# KiCad board control.kicad_pcb (continued)
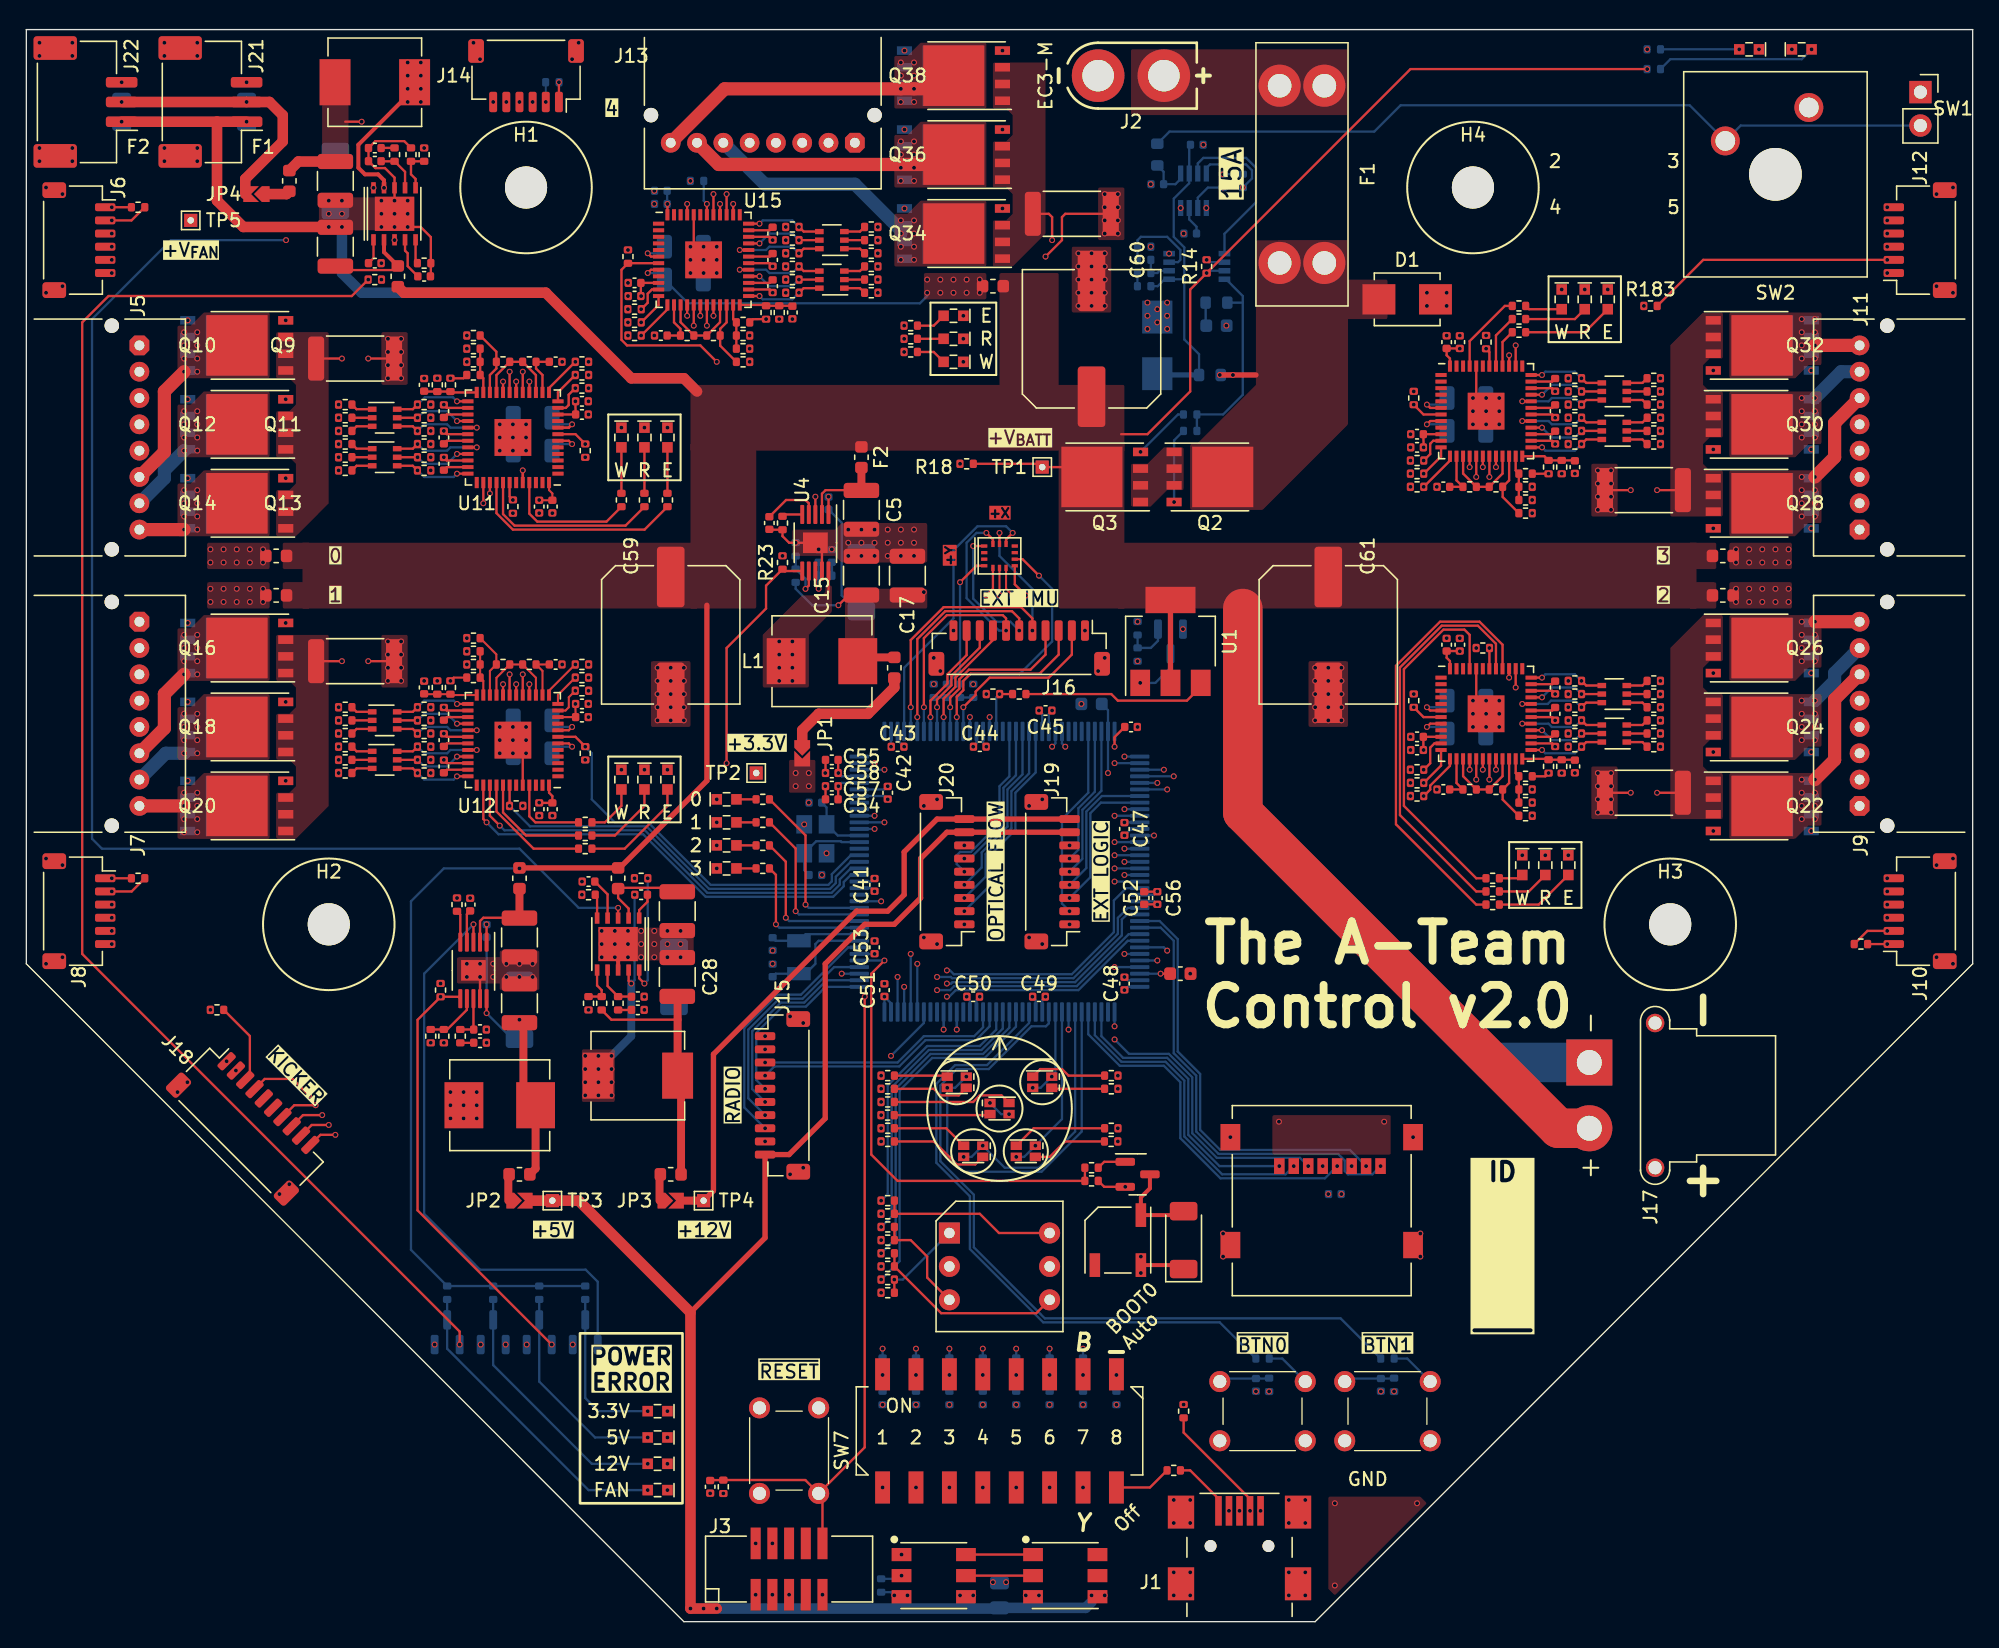
[diagram p0: board, top side]
## Routing (per net, layer and track width the routed paths; a pad name or vN(x,y) marks a point on that pad's centre or on a via; arc(x,y) is an arc through that point) (continued)
  Bottom w0.175: v1(73,82.75) 72.25,82.75 71.5,82 71.5,77.79 73.96,75.33 v1(74.5,75.33) ; v1(68.25,69.5) U10.43
/IMU.SCK: length 27.8
  Top w0.175: U16.13 v1(74,82.75) ; v1(67.25,69.5) 67.25,74.6 69.75,77.1 75.65,77.1 76.5,76.25 v1(76.5,75.33)
  Bottom w0.175: v1(74,82.75) 74,81 76.5,78.5 v1(76.5,75.33) ; U10.41 v1(67.25,69.5)
/IMU.~{DET}: length 13.7
  Top w0.175: v1(71.25,69.5) 72.18,70.43 72.18,70.68 73.25,71.75 77.75,71.75 79.5,73.5 J16.2
  Bottom w0.175: U10.49 v1(71.25,69.5)
/IMU.~{SS}0: length 21.8
  Top w0.175: v1(75,82.75) 74.5,82.25 U16.12
  Bottom w0.175: v1(75,82.75) 74.5,83.25 72.32,83.25 70.5,81.43 70.5,76.25 66.75,72.5 U10.40
/IMU.~{SS}1: length 8.8
  Top w0.175: J16.10 71.5,73.46 70.04,72 70.04,71.29 68.75,70 v1(68.75,68.75)
  Bottom w0.175: U10.44 v1(68.75,68.75)
/IMU.~{SS}2: length 9
  Top w0.175: J16.9 72.5,74.03 70.34,71.88 70.34,71.17 69.25,70.07 v1(69.25,69.5)
  Bottom w0.175: U10.45 v1(69.25,69.5)
/IMU.~{SS}3: length 9.2
  Top w0.175: v1(69.75,68.75) 69.75,70.15 70.65,71.04 70.65,71.75 73.5,74.6 J16.8
  Bottom w0.175: U10.46 v1(69.75,68.75)
/Indicators/BUZZER: length 35.2
  Top w0.175: v1(65.25,50.25) 64.25,49.25 64.25,35.5 66.25,33.5 R39.1 80.5,34.5 R40.1
  Bottom w0.175: U10.5 v1(65.25,50.25)
/Indicators/DOTSTAR.CLK: length 51.4
  In1.Cu w0.175: v1(66.55,3.5) 67.25,4.2 67.25,5.5 63.75,9 63.75,41.82 65.43,43.5 69.25,43.5 v1(70.75,45)
  Bottom w0.175: R42.1 66.31,3.26 v1(66.55,3.5)
  Bottom w0.2: v1(70.75,45) U10.133
/Indicators/DOTSTAR.DAT: length 47
  In1.Cu w0.175: v1(69.75,45) 68.55,43.8 65.3,43.8 63.45,41.95 63.45,8.2 v1(66.55,5.1)
  Bottom w0.2: v1(69.75,45) U10.135
/Indicators/LED.0: length 13.3
  Top w0.175: R45.1 59.25,59.76 v1(59.25,54.5)
  Bottom w0.175: v1(59.25,54.5) 59.5,54.25 U10.13
/Indicators/LED.1: length 12.5
  Top w0.175: v1(58.5,54) 58.5,58.76 R46.1
  Bottom w0.175: U10.12 58.75,53.75 v1(58.5,54)
/Indicators/LED.2: length 11.7
  Top w0.175: v1(57.75,53.5) 57.75,57.76 R47.1
  Bottom w0.175: v1(57.75,53.5) 58,53.25 U10.11
/Indicators/LED.3: length 10.9
  Top w0.175: R50.1 57,56.76 v1(57,53)
  Bottom w0.175: U10.10 57.25,52.75 v1(57,53)
/Indicators/PGOOD_{+5V}: length 158.6
  Top w0.175: U6.3 v1(45,54.25) ; v1(39.95,21.06) 29.75,31.26 29.75,45.74 R24.2 v1(31.5,47.5) 32.86,47.49 U5.6
  In1.Cu w0.175: v1(45,54.25) 42.5,54.25 39.5,51.25 39.5,48.75 38.25,47.5 v1(31.5,47.5)
  In4.Cu w0.175: v1(19.75,105) v1(28,105)
  Bottom w0.175: v1(19.75,105) 11,105 5,99 5,59.5 5.75,58.75 37.5,58.75 42,54.25 v1(45,54.25)
/Indicators/PGOOD_{+12V}: length 43.7
  Top w0.175: v1(47,48.5) 46.6,48.9 U6.10
  In4.Cu w0.175: v1(36.45,21.06) 36.45,26.2 41.25,31 41.25,47.25 42,48 46.5,48 v1(47,48.5)
  Bottom w0.175: v1(47,48.5) 47.25,48.75 v1(47.25,56.5)
/Indicators/PGOOD_{FAN}: length 120.2
  Top w0.175: v1(26,102) 24.75,100.75 6.25,100.75 4.25,98.75 4.25,50.75 32.95,22.05 v1(32.95,21.06)
  In1.Cu w0.175: v1(26,102) 25.5,102.5 25.5,108.08 v1(26.4,108.97)
/Indicators/ROBOTID_{DISP}.BL: length 19.7
  Bottom w0.175: U10.115 79.75,37.25 77,34.5 74.4,34.5 v1(72.72,36.18) 71.88,35.32 v1(71.28,35.32)
/Indicators/ROBOTID_{DISP}.BR: length 12.8
  Bottom w0.175: v1(75.28,35.32) 75.88,35.32 v1(76.72,36.18) 78.75,38.2 U10.117
/Indicators/ROBOTID_{DISP}.FL: length 28
  Bottom w0.175: v1(71.47,41.43) 70.62,40.57 v1(70.03,40.57) 70.03,35.47 71.3,34.2 77.2,34.2 80.25,37.25 U10.114
/Indicators/ROBOTID_{DISP}.FR: length 6.8
  Bottom w0.175: U10.118 78.25,41.7 v1(77.97,41.43) 77.12,40.57 v1(76.53,40.57)
/Indicators/ROBOTID_{DISP}.TeamBlue: length 30
  In4.Cu w0.175: v1(85.75,59.75) 85.75,58.25 83.5,56 83.25,56 82.55,55.3 82.55,50.62 79.93,48 79,48 77.75,46.75 76.25,46.75 73.28,43.78 v1(73.28,39.43)
  Bottom w0.175: U10.85 v1(85.75,59.75) ; v1(73.28,39.43) 74.12,38.57 v1(74.72,38.57)
/Indicators/ShutdownInitiated: length 106.9
  In1.Cu w0.175: v1(65,54.75) 78.75,68.5 83.15,68.5 85.2,70.55 85.2,74.34 89.4,78.54 89.4,99.5 90.5,100.6 90.5,110.25 93.25,113 101.5,113 108,119.5 v1(123.25,119.5)
  Bottom w0.175: U10.14 v1(65,54.75)
/KICKER.BOOT0: length 83.9
  Top w0.175: J18.9 21.7,37.75 v1(23,37.75)
  In1.Cu w0.175: v1(69.25,48) 68.78,48 66.13,45.34 64.63,45.34 61.91,42.62 61.91,32.37 57.83,28.3 32.95,28.3 23.5,37.75 v1(23,37.75)
  Bottom w0.175: v1(69.25,48) 70.25,48 70.55,48.3 79.87,48.3 83.82,52.25 U10.100
/KICKER.PWRON: length 91.3
  Top w0.175: v1(21.5,40) 20.25,41.25 18.13,41.25 J18.4
  In1.Cu w0.175: v1(21.5,40) 22.53,40 33.32,29.21 57.46,29.21 61,32.75 61,43 64.25,46.25 65.75,46.25 69,49.5 v1(70,49.5)
  Bottom w0.175: U10.93 83.63,55.75 82.7,54.82 82.7,52.41 79.5,49.21 70.52,49.21 70.23,49.5 v1(70,49.5)
/KICKER.RX: length 86.1
  Top w0.175: J18.8 21.04,38.5 v1(22.5,38.5)
  In1.Cu w0.175: v1(22.5,38.5) 23.18,38.5 33.07,28.6 57.71,28.6 61.6,32.5 61.6,42.75 64.5,45.65 66,45.65 68.85,48.5 v1(70,48.5)
  Bottom w0.175: v1(70,48.5) 70.32,48.5 70.43,48.6 79.75,48.6 83.3,52.16 83.3,53.37 83.68,53.75 U10.97
/KICKER.TX: length 87.1
  Top w0.175: J18.7 20.37,39.25 v1(22,39.25)
  In1.Cu w0.175: v1(69.25,49) 68.93,49 65.88,45.95 64.38,45.95 61.3,42.87 61.3,32.62 57.58,28.91 33.2,28.91 22.85,39.25 v1(22,39.25)
  Bottom w0.175: U10.96 83.76,54.25 83,53.49 83,52.28 79.62,48.91 70.4,48.91 70.3,49 v1(69.25,49)
/KICKER.~{DET}: length 6.3
  Top w0.175: J18.3 17,41.54 17,44.51 R245.2
/KICKER.~{RST}: length 83
  Top w0.175: v1(23.5,37) 22.36,37 J18.10
  In1.Cu w0.175: v1(70,47.5) 68.71,47.5 66.25,45.04 64.75,45.04 62.21,42.5 62.21,32.25 57.96,28 32.82,28 23.82,37 v1(23.5,37)
  Bottom w0.175: U10.101 83.75,51.75 80,48 70.68,48 70.18,47.5 v1(70,47.5)
/Load Switch/PGOOD_{VBATT}: length 48
  Top w0.175: U4.3 v1(60,85.5)
  In1.Cu w0.175: v1(60,85.5) 60,94.5 60.75,95.25 86.25,95.25 87.25,96.25 87.25,101 v1(89.75,103.5)
  Bottom w0.175: v1(89.75,103.5) 89.92,103.33 U2.6
/Load Switch/~{INT}_{PWRBTN}: length 56.9
  In1.Cu w0.175: v1(79,66.5) 80.4,67.9 83.4,67.9 85.8,70.3 85.8,74.09 90,78.29 90,99.25 92.5,101.75 v1(92.5,109)
  Bottom w0.175: U10.64 78.75,66.75 v1(79,66.5) ; R16.2 93.2,109.69 93.2,110.3 92.75,110.75 90,110.75 89.72,110.47 U3.8
/Load Switch/~{KILL}_{PWR}: length 54.3
  In1.Cu w0.175: v1(91,109) 91,100.68 89.7,99.38 89.7,78.41 85.5,74.21 85.5,70.43 83.27,68.2 79.7,68.2 v1(78,66.5)
  Bottom w0.175: R17.2 v1(91,109) 89.84,108.99 89.08,108.22 U3.2 ; v1(78,66.5) 78.25,66.75 U10.63
/MCU/+V_{BATT(REDUCED)}: length 3.9
  Top w0.175: R5.1 v1(74,70.5) R4.2
  Bottom w0.175: U10.54 73.75,70.25 v1(74,70.5)
/MCU/BOOT0: length 49.5
  In1.Cu w0.175: v1(65.75,43) 64.25,41.5 64.25,18.75 64.75,18.25 82.39,18.25 v1(82.89,18.75)
  Bottom w0.175: U10.138 68.25,45.5 v1(65.75,43) ; R75.2 v1(82.89,18.75)
/MCU/DIP.1: length 51.9
  In4.Cu w0.175: v1(65.11,20.75) 66.5,22.14 66.5,42.5 68.5,44.5 71,44.5 74.19,47.69 74.19,48.5 75.8,50.11 79.05,50.11 80.44,51.5 80.44,57.12 82.57,59.25 v1(82.75,59.25)
  Bottom w0.175: R83.2 v1(65.11,20.75) ; U10.86 v1(82.75,59.25)
/MCU/DIP.2: length 51.1
  In4.Cu w0.175: v1(83.5,58.75) 82.5,58.75 80.74,56.99 80.74,51.38 79.18,49.81 75.93,49.81 74.49,48.38 74.49,47.56 71.13,44.2 68.63,44.2 66.8,42.37 66.8,21.6 v1(67.65,20.75)
  Bottom w0.175: R84.2 v1(67.65,20.75) ; U10.87 v1(83.5,58.75)
/MCU/DIP.3: length 51.3
  In4.Cu w0.175: v1(82.75,58.25) 82.57,58.25 81.04,56.72 81.04,51.25 79.3,49.51 76.05,49.51 74.79,48.25 74.79,47.44 71.25,43.9 68.75,43.9 67.1,42.25 67.1,24.22 70.19,21.13 v1(70.19,20.75)
  Bottom w0.175: U10.88 v1(82.75,58.25) ; R85.2 v1(70.19,20.75)
/MCU/DIP.4: length 52.7
  In4.Cu w0.175: v1(72.73,20.75) 71,20.75 67.41,24.34 67.41,42.12 68.88,43.59 71.38,43.59 75.09,47.31 75.09,48.13 76.18,49.21 79.43,49.21 81.34,51.13 81.34,56.59 82.5,57.75 v1(83.5,57.75)
  Bottom w0.175: R86.2 v1(72.73,20.75) ; v1(83.5,57.75) U10.89
/MCU/DIP.5: length 54.2
  In4.Cu w0.175: v1(82.75,57.25) 82.57,57.25 81.65,56.32 81.65,51 79.55,48.91 76.3,48.91 75.4,48 75.4,47.19 71.5,43.29 69,43.29 67.71,42 67.71,24.47 70.93,21.25 74.77,21.25 v1(75.27,20.75)
  Bottom w0.175: U10.90 v1(82.75,57.25) ; R87.2 v1(75.27,20.75)
/MCU/DIP.6: length 55.8
  In4.Cu w0.175: v1(77.81,20.75) 77.01,21.55 71.05,21.55 68.01,24.59 68.01,41.87 69.13,42.99 71.63,42.99 75.7,47.06 75.7,47.88 76.43,48.6 79.68,48.6 81.95,50.88 81.95,56.2 82.5,56.75 v1(83.5,56.75)
  Bottom w0.175: U10.91 v1(83.5,56.75) ; R88.2 v1(77.81,20.75)
/MCU/ID_{SW}.IDX0: length 26.9
  Bottom w0.175: v1(65,26) 66.41,27.41 66.41,40.37 68.88,42.84 72.88,42.84 75.25,45.22 U10.124
/MCU/ID_{SW}.IDX1: length 24.7
  Bottom w0.175: U10.125 74.75,45.15 72.75,43.15 68.75,43.15 66.1,40.5 66.1,29.1 v1(65,28)
/MCU/ID_{SW}.IDX2: length 22.5
  Bottom w0.175: v1(65,30) 65.8,30.8 65.8,40.62 68.63,43.45 72.63,43.45 74.25,45.07 U10.126
/MCU/ID_{SW}.IDX3: length 20.3
  Bottom w0.175: U10.127 73.75,45 72.5,43.75 68.5,43.75 65.5,40.75 65.5,32.5 v1(65,32)
/MCU/IsBlueTeam: length 57.2
  In4.Cu w0.175: v1(80.35,20.75) 79.25,21.85 71.18,21.85 68.31,24.72 68.31,41.75 69.25,42.69 71.75,42.69 76,46.94 76,47.75 76.55,48.3 79.8,48.3 82.25,50.75 82.25,55.75 v1(82.75,56.25)
  Bottom w0.175: U10.92 v1(82.75,56.25) ; R89.2 v1(80.35,20.75)
/MCU/MOTOR_{BL}.BOOT0: length 31.9
  Top w0.175: U12.42 36.75,62.01
  Bottom w0.175: v1(36.75,62) 38.3,60.45 47.16,60.45 51.91,55.7 61.11,55.7 61.55,56.14 61.55,56.61 62.69,57.75 U10.20
/MCU/MOTOR_{BL}.RX: length 34.5
  Top w0.175: U12.38 34.75,61 v1(35,60.75)
  Bottom w0.175: v1(35,60.75) 35.91,59.84 46.91,59.84 51.66,55.09 61.36,55.09 62.16,55.89 62.16,56.22 62.69,56.75 U10.18
/MCU/MOTOR_{BL}.TX: length 33.8
  Top w0.175: U12.39 35.25,61.25 v1(36,60.5)
  Bottom w0.175: U10.19 62.69,57.25 61.85,56.41 61.85,56.02 61.23,55.4 51.78,55.4 47.03,60.15 36.35,60.15 v1(36,60.5)
/MCU/MOTOR_{BL}.~{RST}: length 30.9
  Top w0.175: U12.7 41.76,67.25 R121.2
  Bottom w0.175: U10.21 62.69,58.25 61.25,56.81 61.25,56.27 60.98,56 52.03,56 47.28,60.75 44.75,60.75 43,62.5 43,66 v1(42.5,66.5)
/MCU/MOTOR_{BR}.BOOT0: length 60.4
  Top w0.175: R152.1 111.25,73.99 U13.42
  In1.Cu w0.175: v1(67.25,50.75) 67.41,50.91 80.87,50.91 82.12,52.16 85.87,52.16 99.97,66.25 101.82,66.25 105,69.43 105,70.75 105.25,71 108.25,71 v1(111.25,74)
  Bottom w0.175: v1(67.25,50.75) U10.140
/MCU/MOTOR_{BR}.RX: length 60.6
  Top w0.175: U13.38 v1(113.25,71)
  In1.Cu w0.175: v1(113.25,71) 112.95,70.7 109.63,70.7 107.55,68.62 107.55,66.37 106.52,65.34 100.34,65.34 86.25,51.25 82.5,51.25 81.25,50 69.07,50 67.32,48.25 v1(66.75,48.25)
  Bottom w0.175: v1(66.75,48.25) U10.141
/MCU/MOTOR_{BR}.TX: length 60.6
  Top w0.175: U13.39 v1(112.75,71.75)
  In1.Cu w0.175: v1(66.25,49) 67.65,49 68.95,50.3 81.12,50.3 82.37,51.55 86.12,51.55 100.22,65.65 106.4,65.65 107.25,66.5 107.25,68.75 109.5,71 112,71 v1(112.75,71.75)
  Bottom w0.175: U10.142 v1(66.25,49)
/MCU/MOTOR_{BR}.~{RST}: length 51.9
  Top w0.175: R151.2 105.49,69.5 v1(105.5,69.5) R151.2 ; R151.2 106.24,68.75 U13.7
  In1.Cu w0.175: v1(67.75,50) 68.35,50.6 81,50.6 82.25,51.85 86,51.85 100.09,65.95 101.95,65.95 v1(105.5,69.5)
  Bottom w0.175: v1(67.75,50) U10.139
/MCU/MOTOR_{DRB}.BOOT0: length 77.2
  Top w0.175: U15.42 v1(51.75,107.75)
  In4.Cu w0.175: v1(51.75,107.75) 51.75,106.5 49.75,104.5 49.75,97.75 53.84,93.66 53.84,70.37 56.87,67.34 74.37,67.34 80.47,61.25 v1(82.75,61.25)
  Bottom w0.175: v1(82.75,61.25) U10.82 ; R212.1 51.51,107.99 v1(51.75,107.75)
/MCU/MOTOR_{DRB}.RX: length 70.2
  Top w0.175: U15.38 v1(53.75,107.75)
  In4.Cu w0.175: v1(53.75,107.75) 53.75,95.03 54.75,94.03 54.75,70.75 57.25,68.25 74.75,68.25 77,66 83.25,66 v1(83.5,65.75)
  Bottom w0.175: U10.73 v1(83.5,65.75)
/MCU/MOTOR_{DRB}.TX: length 72.4
  Top w0.175: U15.39 v1(53.25,108.5)
  In4.Cu w0.175: v1(53.25,108.5) 53.25,95.1 54.45,93.91 54.45,70.62 57.12,67.95 74.62,67.95 76.87,65.7 82.3,65.7 v1(82.75,65.25)
  Bottom w0.175: U10.74 v1(82.75,65.25)
/MCU/MOTOR_{DRB}.~{RST}: length 76.4
  Top w0.175: v1(52.5,95.75) 51.25,97 45.68,97 45.26,97.42 45.26,102.75 R211.2 45.76,103.25 U15.7
  In4.Cu w0.175: v1(52.5,95.75) 52.5,95.43 54.15,93.78 54.15,70.5 57,67.65 74.5,67.65 80.4,61.75 v1(83.5,61.75)
  Bottom w0.175: U10.81 v1(83.5,61.75)
/MCU/MOTOR_{FL}.BOOT0: length 52.2
  Top w0.175: U11.42 36.75,85.51 R92.1
  In1.Cu w0.175: v1(64.5,61.25) 65.25,61.25 66.2,62.2 66.2,64.73 64.23,66.7 47.16,66.7 43.85,70 43.85,82.54 42.89,83.5 38.75,83.5 v1(37,85.25)
  Bottom w0.175: U10.27 v1(64.5,61.25)
/MCU/MOTOR_{FL}.RX: length 48
  Top w0.175: U11.38 v1(34.75,85)
  In1.Cu w0.175: v1(34.75,85) 36.85,82.9 42.64,82.9 43.25,82.29 43.25,69.75 46.91,66.09 63.66,66.09 v1(64.5,65.25)
  Bottom w0.175: U10.35 v1(64.5,65.25)
/MCU/MOTOR_{FL}.TX: length 49.5
  Top w0.175: U11.39 v1(35.25,85.75)
  In1.Cu w0.175: v1(65.25,64.75) 65.25,65.25 64.1,66.4 47.03,66.4 43.55,69.88 43.55,82.41 42.77,83.2 37.05,83.2 35.25,85 v1(35.25,85.75)
  Bottom w0.175: U10.34 v1(65.25,64.75)
/MCU/MOTOR_{FL}.~{RST}: length 53.5
  Top w0.175: 41.75,90.25 U11.7 ; 42.51,89.5 41.76,90.25
  In1.Cu w0.175: v1(65.25,60.75) 66.5,62 66.5,64.85 64.35,67 47.28,67 44.16,70.13 44.16,82.66 43,83.82 43,89 v1(42.5,89.5)
  Bottom w0.175: U10.26 v1(65.25,60.75)
/MCU/MOTOR_{FR}.BOOT0: length 52.5
  Top w0.175: R182.1 110.99,96.75 v1(111,96.75) R182.1 ; R182.1 111.25,96.49 U14.42
  In1.Cu w0.175: v1(86,63.75) 86,65 86.25,65.25 87.72,65.25 88.62,66.16 94.12,66.16 95.34,67.38 95.34,83.63 104.4,92.68 104.4,94 105,94.6 108.85,94.6 v1(111,96.75)
  Bottom w0.175: U10.77 v1(86,63.75)
/MCU/MOTOR_{FR}.RX: length 54.8
  Top w0.175: U14.38 v1(113.25,97)
  In1.Cu w0.175: v1(87.25,64.25) 87.57,64.25 88.87,65.55 94.37,65.55 95.95,67.13 95.95,83.38 105,92.43 105,93.75 105.25,94 111.5,94 113.25,95.75 v1(113.25,97)
  Bottom w0.175: v1(87.25,64.25) U10.76
/MCU/MOTOR_{FR}.TX: length 52.3
  Top w0.175: U14.39 v1(112.75,96.25)
  In1.Cu w0.175: v1(112.75,96.25) 110.8,94.3 105.12,94.3 104.7,93.88 104.7,92.55 95.65,83.5 95.65,67.25 94.25,65.85 88.75,65.85 87.65,64.75 v1(86.5,64.75)
  Bottom w0.175: U10.75 v1(86.5,64.75)
/MCU/MOTOR_{FR}.~{RST}: length 44.9
  Top w0.175: R181.2 105.49,92.5 v1(105.5,92.5) R181.2 ; R181.2 106.24,91.75 U14.7
  In1.Cu w0.175: v1(105.5,92.5) 96.25,83.25 96.25,67 94.5,65.25 89,65.25 87,63.25 v1(86.75,63.25)
  Bottom w0.175: U10.78 v1(86.75,63.25)
/MCU/SDMMC.CK: length 28
  Bottom w0.175: U10.113 80.75,44.65 83.15,42.25 86.5,42.25 87.75,41 87.75,36.75 90.8,33.7 98.75,33.7 v1(99.68,34.62)
/MCU/SDMMC.CMD: length 26.3
  In1.Cu w0.175: v1(79.25,45) 82,45 v1(82.75,44.25)
  Bottom w0.175: v1(82.75,44.25) 83.84,43.16 86.88,43.16 88.66,41.38 88.66,37.13 90.53,35.25 96.85,35.25 v1(97.47,34.62) ; U10.116 v1(79.25,45)
/MCU/SDMMC.D0: length 32.4
  Bottom w0.175: U10.98 86.18,53.25 87.55,51.88 87.55,43.33 89.26,41.63 89.26,37.38 90.78,35.85 100.65,35.85 v1(101.88,34.62)
/MCU/SDMMC.D1: length 34.3
  Bottom w0.175: v1(102.97,34.62) 102.35,34 100.5,34 100.25,34.25 100.25,35.05 99.75,35.55 90.66,35.55 88.96,37.25 88.96,41.5 87.25,43.21 87.25,51.75 86.25,52.75 U10.99
/MCU/SDMMC.D2: length 21.9
  Bottom w0.175: v1(95.28,34.62) 90.73,34.62 88.35,37 88.35,41.25 86.75,42.85 83.4,42.85 81.75,44.5 U10.111
/MCU/SDMMC.D3: length 24
  Bottom w0.175: U10.112 81.25,44.57 83.27,42.55 86.63,42.55 88.05,41.13 88.05,36.88 90.93,34 95.75,34 v1(96.38,34.62)
/MCU/SWCLK: length 63.1
  In1.Cu w0.175: v1(56.73,5.95) 60.2,5.95 63,8.75 63,42.07 65.18,44.25 67.88,44.25 69.12,45.5 82.5,45.5 v1(82.75,45.25)
  Bottom w0.175: U10.109 v1(82.75,45.25)
/MCU/SWDIO: length 68.3
  In1.Cu w0.175: v1(82.75,49.75) 82.75,47.25 81.3,45.8 69,45.8 67.75,44.55 65.05,44.55 62.7,42.2 62.7,8.88 60.57,6.75 56.26,6.75 v1(55.46,5.95)
  Bottom w0.175: U10.105 v1(82.75,49.75)
/MCU/~{BTN}0: length 48.6
  Bottom w0.175: R67.2 90.74,22.75 77.32,22.75 71.75,28.32 71.75,32.32 69.2,34.87 69.2,40.88 70.62,42.3 73.05,42.3 76.25,45.5 U10.122
/MCU/~{BTN}1: length 58.9
  Bottom w0.175: R73.2 99.94,23.05 77.45,23.05 72.05,28.45 72.05,32.45 69.5,35 69.5,40.75 70.75,42 73.18,42 76.43,45.25 77.53,45.25 77.75,45.47 U10.119
/MCU/~{RST}: length 66
  Top w0.175: 60.54,6.02 60.54,9.46 SW7.2 ; v1(63.75,47.5) 63.75,13.25 SW7.2 ; C36.1 52.03,10.76 R90.2 53,10.76 59.24,10.76 SW7.2
  In1.Cu w0.175: v1(64.5,60.25) 63.75,59.5 v1(63.75,47.5)
  Bottom w0.175: U10.25 v1(64.5,60.25)
/Motors/MotorBL/ENCODER_{A}: length 50.1
  Top w0.175: U12.17 v1(37.75,72)
  In1.Cu w0.175: v1(37.75,72) 37.75,71 35.35,68.6 35.35,64.5 28.66,57.8 16.66,57.8 9.25,50.4 6,50.4 5.4,51 5.4,53.4 v1(6.5,54.5)
/Motors/MotorBL/ENCODER_{B}: length 46.4
  Top w0.175: U12.18 v1(37.25,71.25)
  In1.Cu w0.175: v1(37.25,71.25) 37.25,70.93 35.05,68.73 35.05,64.62 28.53,58.1 16.53,58.1 9.13,50.7 6.12,50.7 5.7,51.12 5.7,52.7 v1(6.5,53.5)
/Motors/MotorBL/ENCODER_{Z}: length 45.7
  Top w0.175: U12.19 v1(36.75,72)
  In1.Cu w0.175: v1(36.75,72) 36.75,70.85 34.75,68.85 34.75,64.75 28.41,58.41 16.41,58.41 9,51 6.25,51 6,51.25 6,52 v1(6.5,52.5)
/Motors/MotorBL/ENCODER_{~{DET}}: length 55.6
  Top w0.175: R123.1 8.01,55.5 J8.2 ; U12.16 v1(38.25,71.25)
  In1.Cu w0.175: v1(6.5,55.5) 5.09,54.09 5.09,50.87 5.87,50.09 9.38,50.09 16.78,57.5 28.78,57.5 35.53,64.25 37.25,64.25 38.75,65.75 38.75,68.5 38.25,69 v1(38.25,71.25)
/Motors/MotorBL/HALL_{1}: length 41.1
  Top w0.153: R124.2 41.75,70.76 v1(41.75,70.75) R124.2 ; R124.2 41.25,70.26 41.25,69.5 41,69.25 U12.11
  In1.Cu w0.153: J7.3 11.25,74.65 11.25,76.1 12.15,77 19.91,77 21.16,75.75 35.25,75.75 40.25,70.75 v1(41.75,70.75)
/Motors/MotorBL/HALL_{2}: length 46.1
  Top w0.153: R126.2 v1(41.75,71.75) 41.75,71.76 R126.2 ; R126.2 40.42,70.44 U12.12
  In1.Cu w0.153: v1(41.75,71.75) 39.65,71.75 35.37,76.03 21.28,76.03 18.06,79.25 14,79.25 10.97,76.22 10.97,75.02 8.95,73 8.25,73 7.65,72.4 7.65,70.95 J7.4
/Motors/MotorBL/HALL_{3}: length 42
  Top w0.153: R128.2 v1(41.75,72.75) 41.75,72.76 R128.2 ; R128.2 39.75,70.76 U12.13
  In1.Cu w0.153: v1(41.75,72.75) 41.25,73.25 38.54,73.25 35.48,76.31 21.39,76.31 18.17,79.53 13.88,79.53 10.69,76.34 10.69,75.44 9.25,74 J7.2
/Motors/MotorBL/I_{SENSE(AMPLIFIED)}: length 6.5
  Top w0.153: U12.15 38.75,71.74 R135.1 R134.2 35.75,71.74 U12.21
/Motors/MotorBL/I_{SENSE(FILTERED)}: length 3.5
  Top w0.153: U12.14 39.25,72.26 R135.2 C82.1
/Motors/MotorBL/I_{SENSE(RAW)}: length 13.2
  Top w0.153: R149.1 32.24,71.5 v1(32.25,71.5) R149.1 ; R149.1 32.49,71.75 R130.1
  Top w0.175: R148.1 v1(24,73)
  In1.Cu w0.175: v1(24,73) 26,71 28.75,71 30,72.25 31.5,72.25 v1(32.25,71.5)
/Motors/MotorBL/LED_{ERROR}: length 9.4
  Top w0.175: U12.40 35.75,61.57 38.57,58.75 R129.1
/Motors/MotorBL/LED_{FW_READY}: length 8.5
  Top w0.175: U12.41 36.25,61.5 38,59.75 R127.1
/Motors/MotorBL/LED_{WARN}: length 6.3
  Top w0.175: U12.45 38.25,61.21 38.71,60.75 R125.1
/Motors/MotorBL/MOTOR_{U}: length 25.8
  Top w0.175: U12.34 31.98,65.25 C79.2
  Top w1: J7.8 v1(12,62)
  In4.Cu w0.175: v1(31.75,65.5) 31.75,64.25 30.5,63 v1(13,63)
  vias: v1(12,63) v1(12,61) v1(12,60) v1(13,62) v1(13,61) v1(13,60)
/Motors/MotorBL/MOTOR_{V}: length 25.1
  Top w0.175: C80.2 31.98,67.25 U12.30
  In4.Cu w0.175: v1(31.75,67.5) 31.25,67 v1(13,67)
  Bottom w1: J7.7 10.6,66 v1(12,66)
  vias: v1(12,69) v1(12,68) v1(12,67) v1(13,69) v1(13,68) v1(13,66)
/Motors/MotorBL/MOTOR_{W}: length 29.1
  Top w0.175: C81.2 31.98,69.25 U12.26
  Top w1: v1(12,72) 10.5,70.5 10.5,67.9 J7.6
  In4.Cu w0.175: v1(13,72) 20.5,72 22.5,70 31,70 31.5,69.5 v1(31.75,69.5)
  vias: v1(12,75) v1(12,74) v1(12,73) v1(13,75) v1(13,74) v1(13,73)
/Motors/MotorBL/V_{MOTOR}: length 32.1
  Top w0.175: U12.8 41.25,67.75 v1(41.5,68)
  In4.Cu w0.175: v1(18,77.5) 35,77.5 41,71.5 41,68.5 v1(41.5,68)
  Bottom w0.175: v1(41.5,68) 40.47,68 C73.1
  vias: v1(14,78.5) v1(14,77.5) v1(15,78.5) v1(15,77.5) v1(16,78.5) v1(16,77.5) v1(17,78.5) v1(17,77.5) v1(18,78.5)
/Motors/MotorBR/ENCODER_{A}: length 37.8
  Top w0.175: U13.17 v1(110.25,64)
  In1.Cu w0.175: v1(141.5,53.5) 140.1,54.9 130.75,54.9 125.75,59.9 113.25,59.9 110.25,62.9 v1(110.25,64)
/Motors/MotorBR/ENCODER_{B}: length 36.9
  Top w0.175: U13.18 v1(110.75,64.75)
  In1.Cu w0.175: 140.75,55.2 130.87,55.2 125.87,60.2 113.37,60.2 110.75,62.82 v1(110.75,64.75) ; 140.8,55.2 v1(141.5,54.5)
/Motors/MotorBR/ENCODER_{Z}: length 36.1
  Top w0.175: U13.19 v1(111.25,64)
  In1.Cu w0.175: v1(111.25,64) 111.25,62.75 113.5,60.5 126,60.5 131,55.5 v1(141.5,55.5)
/Motors/MotorBR/ENCODER_{~{DET}}: length 42.1
  Top w0.175: R153.1 139.99,52.5 J10.2 ; U13.16 v1(109.75,64.75)
  In1.Cu w0.175: v1(141.5,52.5) 139.41,54.59 130.62,54.59 125.62,59.59 113.12,59.59 109.75,62.97 v1(109.75,64.75)
/Motors/MotorBR/HALL_{1}: length 43.4
  Top w0.175: U13.11 107.07,66.75 106.75,66.43 106.75,65.24 106.25,64.74
  In4.Cu w0.175: J9.3 137,63.6 137,60 136,59 128,59 126.25,60.75 112.75,60.75 108.75,64.75 v1(106.25,64.75)
/Motors/MotorBR/HALL_{2}: length 46.9
  Top w0.175: 106.25,63.74 107.57,65.06 U13.12
  In4.Cu w0.175: J9.4 140.36,67.04 140.36,65.6 139.76,65 139,65 137.3,63.3 137.3,59.87 136.13,58.7 127.87,58.7 126.12,60.45 112.62,60.45 109.32,63.75 v1(106.25,63.75)
/Motors/MotorBR/HALL_{3}: length 42.4
  Top w0.175: U13.13 108.25,65.04 106.75,63.54 106.75,63.24 106.25,62.74
  In4.Cu w0.175: J9.2 137.6,62.2 137.6,59.75 136.25,58.4 127.75,58.4 126,60.15 112.5,60.15 109.9,62.75 v1(106.25,62.75)
/Motors/MotorBR/I_{SENSE(AMPLIFIED)}: length 6.5
  Top w0.175: U13.21 112.25,64.26 R164.2 R165.1 109.25,64.26 U13.15
/Motors/MotorBR/I_{SENSE(FILTERED)}: length 3.5
  Top w0.175: U13.14 108.75,63.74 R165.2 C93.1
/Motors/MotorBR/I_{SENSE(RAW)}: length 12.2
  Top w0.175: R178.1 v1(124,63) ; R179.1 v1(115.75,64.5) 115.76,64.5 R179.1 ; R179.1 115.51,64.25 R160.1
  In1.Cu w0.175: v1(115.75,64.5) 116.25,64 123,64 v1(124,63)
/Motors/MotorBR/LED_{ERROR}: length 33.5
  Top w0.175: R159.1 110.25,54.5 104.15,60.6 104.15,72.65 107.5,76 110.5,76 112.25,74.25 U13.40
/Motors/MotorBR/LED_{FW_READY}: length 31.3
  Top w0.175: U13.41 111.75,74.32 110.38,75.7 107.63,75.7 104.45,72.52 104.45,61.3 110.25,55.5 R157.1
/Motors/MotorBR/LED_{WARN}: length 27.9
  Top w0.175: R155.1 110.25,56.5 104.75,62 104.75,72.4 107.75,75.4 109.35,75.4 109.75,75 U13.45
/Motors/MotorBR/MOTOR_{U}: length 25.1
  Top w0.175: U13.34 116.02,70.75 C90.2
  Top w1: J9.8 v1(136,76)
  In4.Cu w0.175: v1(135,73) 133,71 116.75,71 v1(116.25,70.5)
  vias: v1(135,76) v1(135,75) v1(135,74) v1(136,75) v1(136,74) v1(136,73)
/Motors/MotorBR/MOTOR_{V}: length 26.3
  Top w0.175: C91.2 116.02,68.75 U13.30
  In4.Cu w0.175: v1(116.25,68.5) 116.75,68 v1(135,68)
  Bottom w1: v1(136,70) 137.5,71.5 137.5,72.1 J9.7
  vias: v1(135,70) v1(135,69) v1(135,67) v1(136,69) v1(136,68) v1(136,67)
/Motors/MotorBR/MOTOR_{W}: length 31.1
  Top w0.175: U13.26 116.02,66.75 C92.2
  Top w1: J9.6 137.5,70.1 137.5,65.5 v1(136,64)
  In4.Cu w0.175: v1(116.25,66.5) 116.75,66 126.5,66 127.5,65 134,65 v1(135,64)
  vias: v1(135,63) v1(135,62) v1(135,61) v1(136,63) v1(136,62) v1(136,61)
/Motors/MotorBR/V_{MOTOR}: length 30.3
  Top w0.175: v1(106.5,68) 106.75,68.25 U13.8
  In4.Cu w0.175: v1(130,77.5) 116,77.5 v1(106.5,68)
  Bottom w0.175: C84.1 107.53,68 v1(106.5,68)
  vias: v1(130,78.5) v1(131,78.5) v1(131,77.5) v1(132,78.5) v1(132,77.5) v1(133,78.5) v1(133,77.5) v1(134,78.5) v1(134,77.5)
/Motors/MotorDRB/ENCODER_{A}: length 30.6
  Top w0.175: U15.17 v1(50.75,98.5)
  In1.Cu w0.175: v1(50.75,98.5) 49.93,98.5 48.38,96.95 45.37,96.95 44.35,97.97 44.35,112.47 41.82,115 39,115 v1(38.5,115.5)
/Motors/MotorDRB/ENCODER_{B}: length 32.5
  Top w0.175: U15.18 v1(51.25,99.25)
  In1.Cu w0.175: v1(51.25,99.25) 51.25,98.25 51,98 49.85,98 48.5,96.65 45.25,96.65 44.05,97.84 44.05,112.34 41.7,114.7 38.3,114.7 v1(37.5,115.5)
/Motors/MotorDRB/ENCODER_{Z}: length 34.3
  Top w0.175: U15.19 v1(51.75,98.5)
  In1.Cu w0.175: v1(36.5,115.5) 37.6,114.4 41.57,114.4 43.75,112.22 43.75,97.72 45.12,96.34 48.63,96.34 49.98,97.7 51.13,97.7 51.75,98.32 v1(51.75,98.5)
/Motors/MotorDRB/ENCODER_{~{DET}}: length 30
  Top w0.175: U15.16 v1(50.25,99.25)
  In1.Cu w0.175: v1(50.25,99.25) 48.25,97.25 45.5,97.25 44.66,98.09 44.66,112.59 41.75,115.5 v1(39.5,115.5)
  Bottom w0.153: R213.1 39.5,116.99 v1(39.5,115.5)
/Motors/MotorDRB/HALL_{1}: length 25.3
  Top w0.175: R214.2 47.25,100.24 47.25,100.93 47.57,101.25 U15.11
  In4.Cu w0.175: J13.3 57.9,113.5 52.74,113.5 52.04,112.8 52.04,111.79 49.75,109.5 49.75,104.93 49.45,104.63 49.45,102.45 v1(46.75,99.75)
/Motors/MotorDRB/HALL_{2}: length 27.1
  Top w0.175: R216.2 48.08,100.06 U15.12
  In1.Cu w0.175: J13.4 56.04,113.36 48.6,113.36 46.25,111.01 46.25,99.25 v1(46.75,98.75)
/Motors/MotorDRB/HALL_{3}: length 32.7
  Top w0.175: U15.13 48.75,99.74 R218.2
  In4.Cu w0.175: J13.2 59.6,113.8 51.04,113.8 50,112.76 50,110.18 49.45,109.63 49.45,105.05 49.15,104.75 49.15,102.65 48,101.5 46.75,101.5 46.25,101 46.25,98.25 v1(46.75,97.75)
/Motors/MotorDRB/I_{SENSE(AMPLIFIED)}: length 6.5
  Top w0.175: U15.21 52.75,98.76 R224.2 R225.1 49.75,98.76 U15.15
/Motors/MotorDRB/I_{SENSE(FILTERED)}: length 3.5
  Top w0.175: C115.1 R225.2 49.74,98.26 49.25,98.75 U15.14
/Motors/MotorDRB/I_{SENSE(RAW)}: length 33
  Top w0.175: R239.1 v1(56.25,99) 55.25,98.99 R220.1 ; v1(78,105) 78,106.75 77.75,107 R238.1
  In1.Cu w0.175: v1(78,105) 73.25,100.25 70.82,100.25 70.2,99.63 70.2,97.13 68.93,95.85 59.4,95.85 v1(56.25,99)
/Motors/MotorDRB/LED_{ERROR}: length 21.4
  Top w0.175: U15.40 v1(52.75,107.75)
  In1.Cu w0.175: v1(66.75,98.5) 65.05,100.2 55.55,100.2 53.75,102 53.75,106.75 v1(52.75,107.75)
